# EAGLE board Mk4 Final Panel 8up 4x2 (EAGLE 9.0.1), part 14 of 23
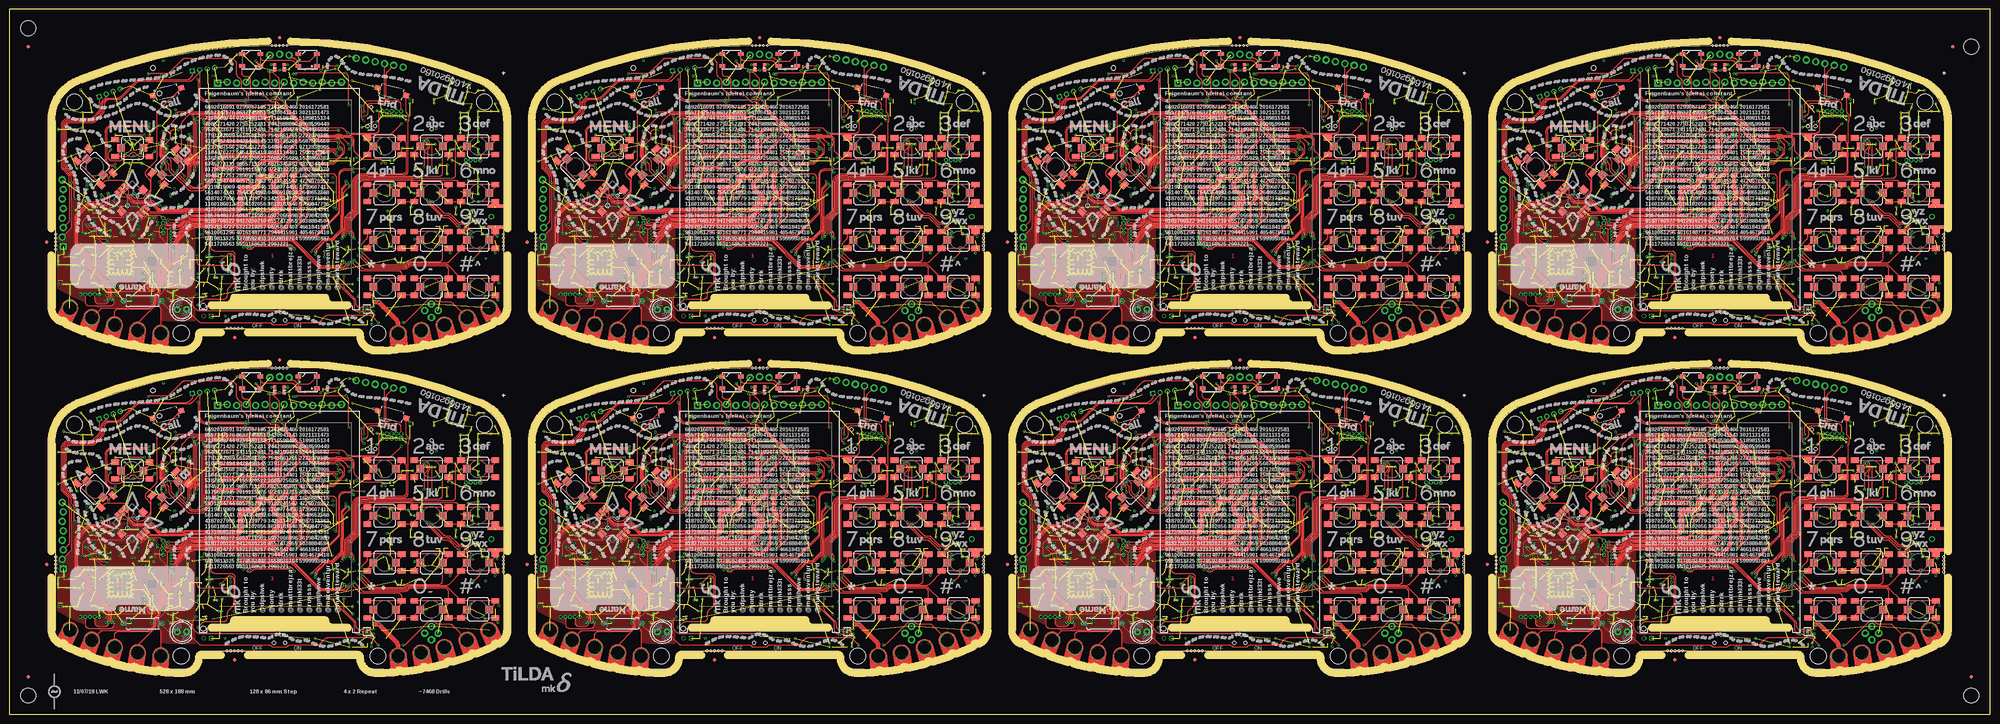
[diagram p0: board, top side]
## Tracks (layer width: path | path; a pad name or v marks a point on that pad's centre or on a via) (continued)
I2C5_EXT_SDA1  (via drill 0.3) (continued)
  Top 0.2: v145.75,54 145.72,54.02 arc-45 145.5,54.57 145.5,57.24 arc45 145.21,57.94 143.49,59.66 arc-45 143.2,60.36 143.2,70.8 arc-90 144.2,71.8 149.88,71.8 arc45 151.11,72.31 152.79,73.99 arc45 153.3,75.22 153.3,76.64 arc-45 153.59,77.34 153.86,77.61 arc-45 154.56,77.9 156.93,77.9 arc45 157.82,78.27 162.01,82.46 arc-45 162.71,82.75 175.84,82.75 arc45 176.54,83.04 178.76,85.26 J18.2 178.76,85.24 178.9,85.1 178.9,79.3 arc90 180.4,77.8 190.8,77.8 v191,78
  3V3@2 0.15: v203.3,62.2 203.3,63.2 198.72,67.78 198.46,67.78 197.97,68.26 197.97,68.53 196.3,70.2 196.3,72.8 195.9,73.2 191.3,73.2 190.7,73.8 190.7,76.7 190.4,77 190.4,77.4 v191,78
  Bottom 0.15: IC20.120 206.92,62 arc-45 206.91,62 arc45 206.74,62.08 arc-45 206.03,62.37 205.72,62.68 arc45 205.01,62.98 204.49,62.98 arc45 203.78,62.68 v203.3,62.2
  Bottom 0.2: IC20.120 208.93,62 arc-45 209.28,61.85 209.43,61.7 arc45 209.78,61.56 210.99,61.56 arc-45 211.34,61.41 R105.1 212.2,60.55 arc45 212.56,60.4 212.9,60.4 arc-90 213.4,59.9 213.4,59.21 arc-45 213.11,58.51 212.97,58.38 212.97,53.96 arc45 213.27,53.26 213.56,52.97 arc45 214.26,52.67 215.91,52.67 arc-45 216.62,52.38 222.66,46.34 arc-45 223.1,45.28 223.1,39.37 arc45 223.47,38.49 228.19,33.77 arc45 229.07,33.4 233.49,33.4 arc-45 234.19,33.11 237.56,29.75 arc-45 237.85,29.04 237.85,22.92 arc45 238.14,22.21 J20.4 240.09,21.65 arc-45 240.79,21.36 243.71,18.44 arc-45 PCB1.SDA | JP17.7 v145.74,53.99 v145.75,54
  Bottom 0.3: J18.6 J18.2
I2C5_EXT_SDA2  (via drill 0.3)
  Top 0.2: v17.75,140 17.73,140.03 arc-45 17.5,140.57 17.5,143.24 arc45 17.21,143.94 15.49,145.66 arc-45 15.2,146.36 15.2,156.8 arc-90 16.2,157.8 21.88,157.8 arc45 23.11,158.31 24.79,159.99 arc45 25.3,161.22 25.3,162.64 arc-45 25.59,163.34 25.86,163.61 arc-45 26.56,163.9 28.93,163.9 arc45 29.82,164.27 34.01,168.46 arc-45 34.71,168.75 47.84,168.75 arc45 48.54,169.04 50.76,171.26 J28.2 50.76,171.24 50.9,171.1 50.9,165.3 arc90 52.4,163.8 62.8,163.8 v63,164
  3V3@2 0.15: v75.3,148.2 75.3,149.2 70.72,153.78 70.46,153.78 69.97,154.26 69.97,154.53 68.3,156.2 68.3,158.8 67.9,159.2 63.3,159.2 62.7,159.8 62.7,162.7 62.4,163 62.4,163.4 v63,164
  Bottom 0.15: IC38.120 78.92,148 arc-45 78.91,148 arc45 78.74,148.07 arc-45 78.03,148.37 77.72,148.68 arc45 77.01,148.97 76.49,148.97 arc45 75.78,148.68 v75.3,148.2
  Bottom 0.2: IC38.120 80.92,148 arc-45 81.28,147.85 81.43,147.7 arc45 81.78,147.56 82.99,147.56 arc-45 83.34,147.41 R183.1 84.2,146.55 arc45 84.56,146.4 84.9,146.4 arc-90 85.4,145.9 85.4,145.21 arc-45 85.11,144.51 84.97,144.38 84.97,139.96 arc45 85.27,139.25 85.56,138.97 arc45 86.26,138.68 87.91,138.68 arc-45 88.62,138.38 94.66,132.34 arc-45 95.1,131.28 95.1,125.37 arc45 95.47,124.49 100.19,119.77 arc45 101.07,119.4 105.49,119.4 arc-45 106.19,119.11 109.56,115.75 arc-45 109.85,115.04 109.85,108.92 arc45 110.14,108.21 J30.4 112.09,107.65 arc-45 112.79,107.36 115.71,104.44 arc-45 PCB2.SDA | JP26.7 v17.74,139.99 v17.75,140
  Bottom 0.3: J28.6 J28.2
I2C5_EXT_SDA3  (via drill 0.3)
  Top 0.2: v145.75,140 145.72,140.03 arc-45 145.5,140.57 145.5,143.24 arc45 145.21,143.94 143.49,145.66 arc-45 143.2,146.36 143.2,156.8 arc-90 144.2,157.8 149.88,157.8 arc45 151.11,158.31 152.79,159.99 arc45 153.3,161.22 153.3,162.64 arc-45 153.59,163.34 153.86,163.61 arc-45 154.56,163.9 156.93,163.9 arc45 157.82,164.27 162.01,168.46 arc-45 162.71,168.75 175.84,168.75 arc45 176.54,169.04 178.76,171.26 J38.2 178.76,171.24 178.9,171.1 178.9,165.3 arc90 180.4,163.8 190.8,163.8 v191,164
  3V3@2 0.15: v203.3,148.2 203.3,149.2 198.72,153.78 198.46,153.78 197.97,154.26 197.97,154.53 196.3,156.2 196.3,158.8 195.9,159.2 191.3,159.2 190.7,159.8 190.7,162.7 190.4,163 190.4,163.4 v191,164
  Bottom 0.15: IC56.120 206.92,148 arc-45 206.91,148 arc45 206.74,148.07 arc-45 206.03,148.37 205.72,148.68 arc45 205.01,148.97 204.49,148.97 arc45 203.78,148.68 v203.3,148.2
  Bottom 0.2: IC56.120 208.93,148 arc-45 209.28,147.85 209.43,147.7 arc45 209.78,147.56 210.99,147.56 arc-45 211.34,147.41 R261.1 212.2,146.55 arc45 212.56,146.4 212.9,146.4 arc-90 213.4,145.9 213.4,145.21 arc-45 213.11,144.51 212.97,144.38 212.97,139.96 arc45 213.27,139.25 213.56,138.97 arc45 214.26,138.68 215.91,138.68 arc-45 216.62,138.38 222.66,132.34 arc-45 223.1,131.28 223.1,125.37 arc45 223.47,124.49 228.19,119.77 arc45 229.07,119.4 233.49,119.4 arc-45 234.19,119.11 237.56,115.75 arc-45 237.85,115.04 237.85,108.92 arc45 238.14,108.21 J40.4 240.09,107.65 arc-45 240.79,107.36 243.71,104.44 arc-45 PCB3.SDA | JP35.7 v145.74,139.99 v145.75,140
  Bottom 0.3: J38.6 J38.2
I2C5_EXT_SDA4  (via drill 0.3)
  Top 0.2: v273.75,54 273.73,54.02 arc-45 273.5,54.57 273.5,57.24 arc45 273.21,57.94 271.49,59.66 arc-45 271.2,60.36 271.2,70.8 arc-90 272.2,71.8 277.88,71.8 arc45 279.11,72.31 280.79,73.99 arc45 281.3,75.22 281.3,76.64 arc-45 281.59,77.34 281.86,77.61 arc-45 282.56,77.9 284.93,77.9 arc45 285.82,78.27 290.01,82.46 arc-45 290.71,82.75 303.84,82.75 arc45 304.54,83.04 306.76,85.26 J48.2 306.76,85.24 306.9,85.1 306.9,79.3 arc90 308.4,77.8 318.8,77.8 v319,78
  3V3@2 0.15: v331.3,62.2 331.3,63.2 326.73,67.78 326.46,67.78 325.98,68.26 325.98,68.53 324.3,70.2 324.3,72.8 323.9,73.2 319.3,73.2 318.7,73.8 318.7,76.7 318.4,77 318.4,77.4 v319,78
  Bottom 0.15: IC74.120 334.92,62 arc-45 334.91,62 arc45 334.74,62.08 arc-45 334.03,62.37 333.72,62.68 arc45 333.01,62.98 332.49,62.98 arc45 331.78,62.68 v331.3,62.2
  Bottom 0.2: IC74.120 336.93,62 arc-45 337.28,61.85 337.43,61.7 arc45 337.78,61.56 338.99,61.56 arc-45 339.34,61.41 R339.1 340.2,60.55 arc45 340.56,60.4 340.9,60.4 arc-90 341.4,59.9 341.4,59.21 arc-45 341.11,58.51 340.98,58.38 340.98,53.96 arc45 341.27,53.26 341.56,52.97 arc45 342.26,52.67 343.91,52.67 arc-45 344.62,52.38 350.66,46.34 arc-45 351.1,45.28 351.1,39.37 arc45 351.47,38.49 356.19,33.77 arc45 357.07,33.4 361.49,33.4 arc-45 362.19,33.11 365.56,29.75 arc-45 365.85,29.04 365.85,22.92 arc45 366.14,22.21 J50.4 368.09,21.65 arc-45 368.79,21.36 371.71,18.44 arc-45 PCB4.SDA | JP44.7 v273.74,53.99 v273.75,54
  Bottom 0.3: J48.6 J48.2
I2C5_EXT_SDA5  (via drill 0.3)
  Top 0.2: v401.75,54 401.73,54.02 arc-45 401.5,54.57 401.5,57.24 arc45 401.21,57.94 399.49,59.66 arc-45 399.2,60.36 399.2,70.8 arc-90 400.2,71.8 405.88,71.8 arc45 407.11,72.31 408.79,73.99 arc45 409.3,75.22 409.3,76.64 arc-45 409.59,77.34 409.86,77.61 arc-45 410.56,77.9 412.93,77.9 arc45 413.82,78.27 418.01,82.46 arc-45 418.71,82.75 431.84,82.75 arc45 432.54,83.04 434.76,85.26 J58.2 434.76,85.24 434.9,85.1 434.9,79.3 arc90 436.4,77.8 446.8,77.8 v447,78
  3V3@2 0.15: v459.3,62.2 459.3,63.2 454.73,67.78 454.46,67.78 453.98,68.26 453.98,68.53 452.3,70.2 452.3,72.8 451.9,73.2 447.3,73.2 446.7,73.8 446.7,76.7 446.4,77 446.4,77.4 v447,78
  Bottom 0.15: IC92.120 462.92,62 arc-45 462.91,62 arc45 462.74,62.08 arc-45 462.03,62.37 461.72,62.68 arc45 461.01,62.98 460.49,62.98 arc45 459.78,62.68 v459.3,62.2
  Bottom 0.2: IC92.120 464.93,62 arc-45 465.28,61.85 465.43,61.7 arc45 465.78,61.56 466.99,61.56 arc-45 467.34,61.41 R417.1 468.2,60.55 arc45 468.56,60.4 468.9,60.4 arc-90 469.4,59.9 469.4,59.21 arc-45 469.11,58.51 468.98,58.38 468.98,53.96 arc45 469.27,53.26 469.56,52.97 arc45 470.26,52.67 471.91,52.67 arc-45 472.62,52.38 478.66,46.34 arc-45 479.1,45.28 479.1,39.37 arc45 479.47,38.49 484.19,33.77 arc45 485.07,33.4 489.49,33.4 arc-45 490.19,33.11 493.56,29.75 arc-45 493.85,29.04 493.85,22.92 arc45 494.14,22.21 J60.4 496.09,21.65 arc-45 496.79,21.36 499.71,18.44 arc-45 PCB5.SDA | JP53.7 v401.74,53.99 v401.75,54
  Bottom 0.3: J58.6 J58.2
I2C5_EXT_SDA6  (via drill 0.3)
  Top 0.2: v273.75,140 273.73,140.03 arc-45 273.5,140.57 273.5,143.24 arc45 273.21,143.94 271.49,145.66 arc-45 271.2,146.36 271.2,156.8 arc-90 272.2,157.8 277.88,157.8 arc45 279.11,158.31 280.79,159.99 arc45 281.3,161.22 281.3,162.64 arc-45 281.59,163.34 281.86,163.61 arc-45 282.56,163.9 284.93,163.9 arc45 285.82,164.27 290.01,168.46 arc-45 290.71,168.75 303.84,168.75 arc45 304.54,169.04 306.76,171.26 J68.2 306.76,171.24 306.9,171.1 306.9,165.3 arc90 308.4,163.8 318.8,163.8 v319,164
  3V3@2 0.15: v331.3,148.2 331.3,149.2 326.73,153.78 326.46,153.78 325.98,154.26 325.98,154.53 324.3,156.2 324.3,158.8 323.9,159.2 319.3,159.2 318.7,159.8 318.7,162.7 318.4,163 318.4,163.4 v319,164
  Bottom 0.15: IC110.120 334.92,148 arc-45 334.91,148 arc45 334.74,148.07 arc-45 334.03,148.37 333.72,148.68 arc45 333.01,148.97 332.49,148.97 arc45 331.78,148.68 v331.3,148.2
  Bottom 0.2: IC110.120 336.93,148 arc-45 337.28,147.85 337.43,147.7 arc45 337.78,147.56 338.99,147.56 arc-45 339.34,147.41 R495.1 340.2,146.55 arc45 340.56,146.4 340.9,146.4 arc-90 341.4,145.9 341.4,145.21 arc-45 341.11,144.51 340.98,144.38 340.98,139.96 arc45 341.27,139.25 341.56,138.97 arc45 342.26,138.68 343.91,138.68 arc-45 344.62,138.38 350.66,132.34 arc-45 351.1,131.28 351.1,125.37 arc45 351.47,124.49 356.19,119.77 arc45 357.07,119.4 361.49,119.4 arc-45 362.19,119.11 365.56,115.75 arc-45 365.85,115.04 365.85,108.92 arc45 366.14,108.21 J70.4 368.09,107.65 arc-45 368.79,107.36 371.71,104.44 arc-45 PCB6.SDA | JP62.7 v273.74,139.99 v273.75,140
  Bottom 0.3: J68.6 J68.2
I2C5_EXT_SDA7  (via drill 0.3)
  Top 0.2: v401.75,140 401.73,140.03 arc-45 401.5,140.57 401.5,143.24 arc45 401.21,143.94 399.49,145.66 arc-45 399.2,146.36 399.2,156.8 arc-90 400.2,157.8 405.88,157.8 arc45 407.11,158.31 408.79,159.99 arc45 409.3,161.22 409.3,162.64 arc-45 409.59,163.34 409.86,163.61 arc-45 410.56,163.9 412.93,163.9 arc45 413.82,164.27 418.01,168.46 arc-45 418.71,168.75 431.84,168.75 arc45 432.54,169.04 434.76,171.26 J78.2 434.76,171.24 434.9,171.1 434.9,165.3 arc90 436.4,163.8 446.8,163.8 v447,164
  3V3@2 0.15: v459.3,148.2 459.3,149.2 454.73,153.78 454.46,153.78 453.98,154.26 453.98,154.53 452.3,156.2 452.3,158.8 451.9,159.2 447.3,159.2 446.7,159.8 446.7,162.7 446.4,163 446.4,163.4 v447,164
  Bottom 0.15: IC128.120 462.92,148 arc-45 462.91,148 arc45 462.74,148.07 arc-45 462.03,148.37 461.72,148.68 arc45 461.01,148.97 460.49,148.97 arc45 459.78,148.68 v459.3,148.2
  Bottom 0.2: IC128.120 464.93,148 arc-45 465.28,147.85 465.43,147.7 arc45 465.78,147.56 466.99,147.56 arc-45 467.34,147.41 R573.1 468.2,146.55 arc45 468.56,146.4 468.9,146.4 arc-90 469.4,145.9 469.4,145.21 arc-45 469.11,144.51 468.98,144.38 468.98,139.96 arc45 469.27,139.25 469.56,138.97 arc45 470.26,138.68 471.91,138.68 arc-45 472.62,138.38 478.66,132.34 arc-45 479.1,131.28 479.1,125.37 arc45 479.47,124.49 484.19,119.77 arc45 485.07,119.4 489.49,119.4 arc-45 490.19,119.11 493.56,115.75 arc-45 493.85,115.04 493.85,108.92 arc45 494.14,108.21 J80.4 496.09,107.65 arc-45 496.79,107.36 499.71,104.44 arc-45 PCB7.SDA | JP71.7 v401.74,139.99 v401.75,140
  Bottom 0.3: J78.6 J78.2
JOY_CEN  (via drill 0.3)
  Top 0.15: SW1.CTR 32.77,51.02 arc45 33.66,50.66 36.79,50.66 arc-45 37.15,50.51 37.16,50.5 arc45 37.52,50.35 37.78,50.35 arc-45 38.13,50.2 39.49,48.84 arc45 40.38,48.48 46.44,48.48 arc45 46.61,48.55 46.74,48.68 arc-45 46.92,48.75 60.28,48.75 arc90 61.45,49.92 61.45,53.59 arc-90 62.56,54.7 64.85,54.7 arc90 66.1,55.95 66.1,56.35 arc-90 67.35,57.6 68.92,57.6 arc45 69.27,57.75 69.75,58.23 arc45 69.9,58.58 69.9,59.09 arc-45 70.05,59.45 v71.2,60.6
  Bottom 0.15: v71.2,60.6 70.99,60.81 arc-45 70.7,61.51 70.7,66.09 arc45 70.41,66.79 68.89,68.31 arc-45 68.6,69.01 IC1.72
JOY_CEN1  (via drill 0.3)
  Top 0.15: SW2.CTR 160.78,51.02 arc45 161.66,50.66 164.79,50.66 arc-45 165.15,50.51 165.16,50.5 arc45 165.52,50.35 165.78,50.35 arc-45 166.13,50.2 167.49,48.84 arc45 168.38,48.48 174.44,48.48 arc45 174.62,48.55 174.74,48.68 arc-45 174.92,48.75 188.28,48.75 arc90 189.45,49.92 189.45,53.59 arc-90 190.56,54.7 192.85,54.7 arc90 194.1,55.95 194.1,56.35 arc-90 195.35,57.6 196.92,57.6 arc45 197.27,57.75 197.75,58.23 arc45 197.9,58.58 197.9,59.09 arc-45 198.05,59.45 v199.2,60.6
  Bottom 0.15: v199.2,60.6 198.99,60.81 arc-45 198.7,61.51 198.7,66.09 arc45 198.41,66.79 196.89,68.31 arc-45 196.6,69.01 IC20.72
JOY_CEN2  (via drill 0.3)
  Top 0.15: SW3.CTR 32.77,137.03 arc45 33.66,136.66 36.79,136.66 arc-45 37.15,136.51 37.16,136.5 arc45 37.52,136.35 37.78,136.35 arc-45 38.13,136.2 39.49,134.84 arc45 40.38,134.47 46.44,134.47 arc45 46.61,134.55 46.74,134.68 arc-45 46.92,134.75 60.28,134.75 arc90 61.45,135.92 61.45,139.59 arc-90 62.56,140.7 64.85,140.7 arc90 66.1,141.95 66.1,142.35 arc-90 67.35,143.6 68.92,143.6 arc45 69.27,143.75 69.75,144.23 arc45 69.9,144.58 69.9,145.09 arc-45 70.05,145.45 v71.2,146.6
  Bottom 0.15: v71.2,146.6 70.99,146.81 arc-45 70.7,147.51 70.7,152.09 arc45 70.41,152.79 68.89,154.31 arc-45 68.6,155.01 IC38.72
JOY_CEN3  (via drill 0.3)
  Top 0.15: SW4.CTR 160.78,137.03 arc45 161.66,136.66 164.79,136.66 arc-45 165.15,136.51 165.16,136.5 arc45 165.52,136.35 165.78,136.35 arc-45 166.13,136.2 167.49,134.84 arc45 168.38,134.47 174.44,134.47 arc45 174.62,134.55 174.74,134.68 arc-45 174.92,134.75 188.28,134.75 arc90 189.45,135.92 189.45,139.59 arc-90 190.56,140.7 192.85,140.7 arc90 194.1,141.95 194.1,142.35 arc-90 195.35,143.6 196.92,143.6 arc45 197.27,143.75 197.75,144.23 arc45 197.9,144.58 197.9,145.09 arc-45 198.05,145.45 v199.2,146.6
  Bottom 0.15: v199.2,146.6 198.99,146.81 arc-45 198.7,147.51 198.7,152.09 arc45 198.41,152.79 196.89,154.31 arc-45 196.6,155.01 IC56.72
JOY_CEN4  (via drill 0.3)
  Top 0.15: SW5.CTR 288.77,51.02 arc45 289.66,50.66 292.79,50.66 arc-45 293.15,50.51 293.16,50.5 arc45 293.52,50.35 293.78,50.35 arc-45 294.13,50.2 295.49,48.84 arc45 296.38,48.48 302.44,48.48 arc45 302.62,48.55 302.74,48.68 arc-45 302.92,48.75 316.28,48.75 arc90 317.45,49.92 317.45,53.59 arc-90 318.56,54.7 320.85,54.7 arc90 322.1,55.95 322.1,56.35 arc-90 323.35,57.6 324.92,57.6 arc45 325.27,57.75 325.75,58.23 arc45 325.9,58.58 325.9,59.09 arc-45 326.05,59.45 v327.2,60.6
  Bottom 0.15: v327.2,60.6 326.99,60.81 arc-45 326.7,61.51 326.7,66.09 arc45 326.41,66.79 324.89,68.31 arc-45 324.6,69.01 IC74.72
JOY_CEN5  (via drill 0.3)
  Top 0.15: SW6.CTR 416.77,51.02 arc45 417.66,50.66 420.79,50.66 arc-45 421.15,50.51 421.16,50.5 arc45 421.52,50.35 421.78,50.35 arc-45 422.13,50.2 423.49,48.84 arc45 424.38,48.48 430.44,48.48 arc45 430.62,48.55 430.74,48.68 arc-45 430.92,48.75 444.28,48.75 arc90 445.45,49.92 445.45,53.59 arc-90 446.56,54.7 448.85,54.7 arc90 450.1,55.95 450.1,56.35 arc-90 451.35,57.6 452.92,57.6 arc45 453.27,57.75 453.75,58.23 arc45 453.9,58.58 453.9,59.09 arc-45 454.05,59.45 v455.2,60.6
  Bottom 0.15: v455.2,60.6 454.99,60.81 arc-45 454.7,61.51 454.7,66.09 arc45 454.41,66.79 452.89,68.31 arc-45 452.6,69.01 IC92.72
JOY_CEN6  (via drill 0.3)
  Top 0.15: SW7.CTR 288.77,137.03 arc45 289.66,136.66 292.79,136.66 arc-45 293.15,136.51 293.16,136.5 arc45 293.52,136.35 293.78,136.35 arc-45 294.13,136.2 295.49,134.84 arc45 296.38,134.47 302.44,134.47 arc45 302.62,134.55 302.74,134.68 arc-45 302.92,134.75 316.28,134.75 arc90 317.45,135.92 317.45,139.59 arc-90 318.56,140.7 320.85,140.7 arc90 322.1,141.95 322.1,142.35 arc-90 323.35,143.6 324.92,143.6 arc45 325.27,143.75 325.75,144.23 arc45 325.9,144.58 325.9,145.09 arc-45 326.05,145.45 v327.2,146.6
  Bottom 0.15: v327.2,146.6 326.99,146.81 arc-45 326.7,147.51 326.7,152.09 arc45 326.41,152.79 324.89,154.31 arc-45 324.6,155.01 IC110.72
JOY_CEN7  (via drill 0.3)
  Top 0.15: SW8.CTR 416.77,137.03 arc45 417.66,136.66 420.79,136.66 arc-45 421.15,136.51 421.16,136.5 arc45 421.52,136.35 421.78,136.35 arc-45 422.13,136.2 423.49,134.84 arc45 424.38,134.47 430.44,134.47 arc45 430.62,134.55 430.74,134.68 arc-45 430.92,134.75 444.28,134.75 arc90 445.45,135.92 445.45,139.59 arc-90 446.56,140.7 448.85,140.7 arc90 450.1,141.95 450.1,142.35 arc-90 451.35,143.6 452.92,143.6 arc45 453.27,143.75 453.75,144.23 arc45 453.9,144.58 453.9,145.09 arc-45 454.05,145.45 v455.2,146.6
  Bottom 0.15: v455.2,146.6 454.99,146.81 arc-45 454.7,147.51 454.7,152.09 arc45 454.41,152.79 452.89,154.31 arc-45 452.6,155.01 IC128.72
JOY_DOWN  (via drill 0.3)
  Top 0.15: v72,59.8 72,59.41 arc-45 71.71,58.71 69.85,56.85 arc-45 69.49,56.7 67.5,56.7 arc90 67,56.2 67,55.8 arc-90 65,53.8 62.95,53.8 arc90 62.35,53.2 62.35,49.52 arc-90 60.67,47.85 47.29,47.85 arc45 47.12,47.78 46.99,47.65 arc-45 46.81,47.58 37.08,47.58 arc45 36.73,47.43 36.15,46.85 arc-45 35.79,46.7 35.3,46.7 SW1.D
  Bottom 0.15: v72,59.8 72.1,59.9 72.1,60.61 arc45 71.81,61.32 71.59,61.53 arc-45 71.3,62.24 71.3,66.69 arc45 71.01,67.39 69.69,68.71 arc-45 69.4,69.41 IC1.74
JOY_DOWN1  (via drill 0.3)
  Top 0.15: v200,59.8 200,59.41 arc-45 199.71,58.71 197.85,56.85 arc-45 197.49,56.7 195.5,56.7 arc90 195,56.2 195,55.8 arc-90 193,53.8 190.94,53.8 arc90 190.35,53.2 190.35,49.52 arc-90 188.68,47.85 175.29,47.85 arc45 175.12,47.78 174.99,47.65 arc-45 174.81,47.58 165.08,47.58 arc45 164.73,47.43 164.15,46.85 arc-45 163.79,46.7 163.3,46.7 SW2.D
  Bottom 0.15: v200,59.8 200.1,59.9 200.1,60.61 arc45 199.81,61.32 199.59,61.53 arc-45 199.3,62.24 199.3,66.69 arc45 199.01,67.39 197.69,68.71 arc-45 197.4,69.41 IC20.74
JOY_DOWN2  (via drill 0.3)
  Top 0.15: v72,145.8 72,145.41 arc-45 71.71,144.71 69.85,142.85 arc-45 69.49,142.7 67.5,142.7 arc90 67,142.2 67,141.8 arc-90 65,139.8 62.95,139.8 arc90 62.35,139.2 62.35,135.53 arc-90 60.67,133.85 47.29,133.85 arc45 47.12,133.78 46.99,133.65 arc-45 46.81,133.57 37.08,133.57 arc45 36.73,133.43 36.15,132.85 arc-45 35.79,132.7 35.3,132.7 SW3.D
  Bottom 0.15: v72,145.8 72.1,145.9 72.1,146.61 arc45 71.81,147.32 71.59,147.53 arc-45 71.3,148.24 71.3,152.69 arc45 71.01,153.39 69.69,154.71 arc-45 69.4,155.41 IC38.74
JOY_DOWN3  (via drill 0.3)
  Top 0.15: v200,145.8 200,145.41 arc-45 199.71,144.71 197.85,142.85 arc-45 197.49,142.7 195.5,142.7 arc90 195,142.2 195,141.8 arc-90 193,139.8 190.94,139.8 arc90 190.35,139.2 190.35,135.53 arc-90 188.68,133.85 175.29,133.85 arc45 175.12,133.78 174.99,133.65 arc-45 174.81,133.57 165.08,133.57 arc45 164.73,133.43 164.15,132.85 arc-45 163.79,132.7 163.3,132.7 SW4.D
  Bottom 0.15: v200,145.8 200.1,145.9 200.1,146.61 arc45 199.81,147.32 199.59,147.53 arc-45 199.3,148.24 199.3,152.69 arc45 199.01,153.39 197.69,154.71 arc-45 197.4,155.41 IC56.74
JOY_DOWN4  (via drill 0.3)
  Top 0.15: v328,59.8 328,59.41 arc-45 327.71,58.71 325.85,56.85 arc-45 325.49,56.7 323.5,56.7 arc90 323,56.2 323,55.8 arc-90 321,53.8 318.94,53.8 arc90 318.35,53.2 318.35,49.52 arc-90 316.68,47.85 303.29,47.85 arc45 303.12,47.78 302.99,47.65 arc-45 302.81,47.58 293.08,47.58 arc45 292.73,47.43 292.15,46.85 arc-45 291.79,46.7 291.3,46.7 SW5.D
  Bottom 0.15: v328,59.8 328.1,59.9 328.1,60.61 arc45 327.81,61.32 327.59,61.53 arc-45 327.3,62.24 327.3,66.69 arc45 327.01,67.39 325.69,68.71 arc-45 325.4,69.41 IC74.74
JOY_DOWN5  (via drill 0.3)
  Top 0.15: v456,59.8 456,59.41 arc-45 455.71,58.71 453.85,56.85 arc-45 453.49,56.7 451.5,56.7 arc90 451,56.2 451,55.8 arc-90 449,53.8 446.94,53.8 arc90 446.35,53.2 446.35,49.52 arc-90 444.68,47.85 431.29,47.85 arc45 431.12,47.78 430.99,47.65 arc-45 430.81,47.58 421.08,47.58 arc45 420.73,47.43 420.15,46.85 arc-45 419.79,46.7 419.3,46.7 SW6.D
  Bottom 0.15: v456,59.8 456.1,59.9 456.1,60.61 arc45 455.81,61.32 455.59,61.53 arc-45 455.3,62.24 455.3,66.69 arc45 455.01,67.39 453.69,68.71 arc-45 453.4,69.41 IC92.74
JOY_DOWN6  (via drill 0.3)
  Top 0.15: v328,145.8 328,145.41 arc-45 327.71,144.71 325.85,142.85 arc-45 325.49,142.7 323.5,142.7 arc90 323,142.2 323,141.8 arc-90 321,139.8 318.94,139.8 arc90 318.35,139.2 318.35,135.53 arc-90 316.68,133.85 303.29,133.85 arc45 303.12,133.78 302.99,133.65 arc-45 302.81,133.57 293.08,133.57 arc45 292.73,133.43 292.15,132.85 arc-45 291.79,132.7 291.3,132.7 SW7.D
  Bottom 0.15: v328,145.8 328.1,145.9 328.1,146.61 arc45 327.81,147.32 327.59,147.53 arc-45 327.3,148.24 327.3,152.69 arc45 327.01,153.39 325.69,154.71 arc-45 325.4,155.41 IC110.74
JOY_DOWN7  (via drill 0.3)
  Top 0.15: v456,145.8 456,145.41 arc-45 455.71,144.71 453.85,142.85 arc-45 453.49,142.7 451.5,142.7 arc90 451,142.2 451,141.8 arc-90 449,139.8 446.94,139.8 arc90 446.35,139.2 446.35,135.53 arc-90 444.68,133.85 431.29,133.85 arc45 431.12,133.78 430.99,133.65 arc-45 430.81,133.57 421.08,133.57 arc45 420.73,133.43 420.15,132.85 arc-45 419.79,132.7 419.3,132.7 SW8.D
  Bottom 0.15: v456,145.8 456.1,145.9 456.1,146.61 arc45 455.81,147.32 455.59,147.53 arc-45 455.3,148.24 455.3,152.69 arc45 455.01,153.39 453.69,154.71 arc-45 453.4,155.41 IC128.74
JOY_LEFT  (via drill 0.3)
  Top 0.15: SW1.C 29.65,52.35 arc45 30.35,52.06 30.86,52.06 arc-45 31.56,51.76 32.53,50.8 arc45 33.59,50.36 36.67,50.36 arc-45 37.02,50.21 37.04,50.2 arc45 37.39,50.05 37.65,50.05 arc-45 38.01,49.9 39.3,48.61 arc45 40.36,48.17 46.44,48.17 arc45 46.83,48.34 46.87,48.38 arc-45 47.05,48.45 60.39,48.45 arc90 61.75,49.81 61.75,53.46 arc-90 62.69,54.4 64.9,54.4 arc90 66.4,55.9 66.4,56.3 arc-90 67.4,57.3 69.04,57.3 arc45 69.39,57.45 70.05,58.1 arc45 70.2,58.46 70.2,58.59 arc-45 70.35,58.95 v71.2,59.8
  Bottom 0.15: IC1.73 69,69.21 arc45 69.29,68.51 70.71,67.09 arc-45 71,66.39 71,62.11 arc45 71.29,61.41 71.51,61.19 arc-45 71.8,60.49 arc-45 71.74,60.34 v71.2,59.8
JOY_LEFT1  (via drill 0.3)
  Top 0.15: SW2.C 157.65,52.35 arc45 158.36,52.06 158.86,52.06 arc-45 159.56,51.76 160.53,50.8 arc45 161.59,50.36 164.67,50.36 arc-45 165.02,50.21 165.04,50.2 arc45 165.39,50.05 165.65,50.05 arc-45 166,49.9 167.3,48.61 arc45 168.36,48.17 174.44,48.17 arc45 174.83,48.34 174.87,48.38 arc-45 175.05,48.45 188.39,48.45 arc90 189.75,49.81 189.75,53.46 arc-90 190.69,54.4 192.9,54.4 arc90 194.4,55.9 194.4,56.3 arc-90 195.4,57.3 197.04,57.3 arc45 197.39,57.45 198.05,58.1 arc45 198.2,58.46 198.2,58.59 arc-45 198.35,58.95 v199.2,59.8
  Bottom 0.15: IC20.73 197,69.21 arc45 197.29,68.51 198.71,67.09 arc-45 199,66.39 199,62.11 arc45 199.29,61.41 199.51,61.19 arc-45 199.8,60.49 arc-45 199.74,60.34 v199.2,59.8
JOY_LEFT2  (via drill 0.3)
  Top 0.15: SW3.C 29.65,138.35 arc45 30.35,138.06 30.86,138.06 arc-45 31.56,137.76 32.53,136.8 arc45 33.59,136.36 36.67,136.36 arc-45 37.02,136.21 37.04,136.2 arc45 37.39,136.05 37.65,136.05 arc-45 38.01,135.9 39.3,134.61 arc45 40.36,134.18 46.44,134.18 arc45 46.83,134.34 46.87,134.38 arc-45 47.05,134.45 60.39,134.45 arc90 61.75,135.81 61.75,139.46 arc-90 62.69,140.4 64.9,140.4 arc90 66.4,141.9 66.4,142.3 arc-90 67.4,143.3 69.04,143.3 arc45 69.39,143.45 70.05,144.1 arc45 70.2,144.46 70.2,144.59 arc-45 70.35,144.95 v71.2,145.8
  Bottom 0.15: IC38.73 69,155.21 arc45 69.29,154.51 70.71,153.09 arc-45 71,152.39 71,148.11 arc45 71.29,147.41 71.51,147.19 arc-45 71.8,146.49 arc-45 71.74,146.34 v71.2,145.8
JOY_LEFT3  (via drill 0.3)
  Top 0.15: SW4.C 157.65,138.35 arc45 158.36,138.06 158.86,138.06 arc-45 159.56,137.76 160.53,136.8 arc45 161.59,136.36 164.67,136.36 arc-45 165.02,136.21 165.04,136.2 arc45 165.39,136.05 165.65,136.05 arc-45 166,135.9 167.3,134.61 arc45 168.36,134.18 174.44,134.18 arc45 174.83,134.34 174.87,134.38 arc-45 175.05,134.45 188.39,134.45 arc90 189.75,135.81 189.75,139.46 arc-90 190.69,140.4 192.9,140.4 arc90 194.4,141.9 194.4,142.3 arc-90 195.4,143.3 197.04,143.3 arc45 197.39,143.45 198.05,144.1 arc45 198.2,144.46 198.2,144.59 arc-45 198.35,144.95 v199.2,145.8
  Bottom 0.15: IC56.73 197,155.21 arc45 197.29,154.51 198.71,153.09 arc-45 199,152.39 199,148.11 arc45 199.29,147.41 199.51,147.19 arc-45 199.8,146.49 arc-45 199.74,146.34 v199.2,145.8
JOY_LEFT4  (via drill 0.3)
  Top 0.15: SW5.C 285.65,52.35 arc45 286.36,52.06 286.86,52.06 arc-45 287.56,51.76 288.53,50.8 arc45 289.59,50.36 292.67,50.36 arc-45 293.02,50.21 293.04,50.2 arc45 293.39,50.05 293.65,50.05 arc-45 294,49.9 295.29,48.61 arc45 296.36,48.17 302.44,48.17 arc45 302.83,48.34 302.87,48.38 arc-45 303.04,48.45 316.39,48.45 arc90 317.75,49.81 317.75,53.46 arc-90 318.69,54.4 320.9,54.4 arc90 322.4,55.9 322.4,56.3 arc-90 323.4,57.3 325.04,57.3 arc45 325.39,57.45 326.05,58.1 arc45 326.2,58.46 326.2,58.59 arc-45 326.35,58.95 v327.2,59.8
  Bottom 0.15: IC74.73 325,69.21 arc45 325.29,68.51 326.71,67.09 arc-45 327,66.39 327,62.11 arc45 327.29,61.41 327.51,61.19 arc-45 327.8,60.49 arc-45 327.74,60.34 v327.2,59.8
JOY_LEFT5  (via drill 0.3)
  Top 0.15: SW6.C 413.65,52.35 arc45 414.36,52.06 414.86,52.06 arc-45 415.56,51.76 416.53,50.8 arc45 417.59,50.36 420.67,50.36 arc-45 421.02,50.21 421.04,50.2 arc45 421.39,50.05 421.65,50.05 arc-45 422,49.9 423.3,48.61 arc45 424.36,48.17 430.44,48.17 arc45 430.83,48.34 430.87,48.38 arc-45 431.05,48.45 444.39,48.45 arc90 445.75,49.81 445.75,53.46 arc-90 446.69,54.4 448.9,54.4 arc90 450.4,55.9 450.4,56.3 arc-90 451.4,57.3 453.04,57.3 arc45 453.39,57.45 454.05,58.1 arc45 454.2,58.46 454.2,58.59 arc-45 454.35,58.95 v455.2,59.8
  Bottom 0.15: IC92.73 453,69.21 arc45 453.29,68.51 454.71,67.09 arc-45 455,66.39 455,62.11 arc45 455.29,61.41 455.51,61.19 arc-45 455.8,60.49 arc-45 455.74,60.34 v455.2,59.8
JOY_LEFT6  (via drill 0.3)
  Top 0.15: SW7.C 285.65,138.35 arc45 286.36,138.06 286.86,138.06 arc-45 287.56,137.76 288.53,136.8 arc45 289.59,136.36 292.67,136.36 arc-45 293.02,136.21 293.04,136.2 arc45 293.39,136.05 293.65,136.05 arc-45 294,135.9 295.29,134.61 arc45 296.36,134.18 302.44,134.18 arc45 302.83,134.34 302.87,134.38 arc-45 303.04,134.45 316.39,134.45 arc90 317.75,135.81 317.75,139.46 arc-90 318.69,140.4 320.9,140.4 arc90 322.4,141.9 322.4,142.3 arc-90 323.4,143.3 325.04,143.3 arc45 325.39,143.45 326.05,144.1 arc45 326.2,144.46 326.2,144.59 arc-45 326.35,144.95 v327.2,145.8